# Altium PCB MB1363.PcbDoc (part 2 of 7) (continued)
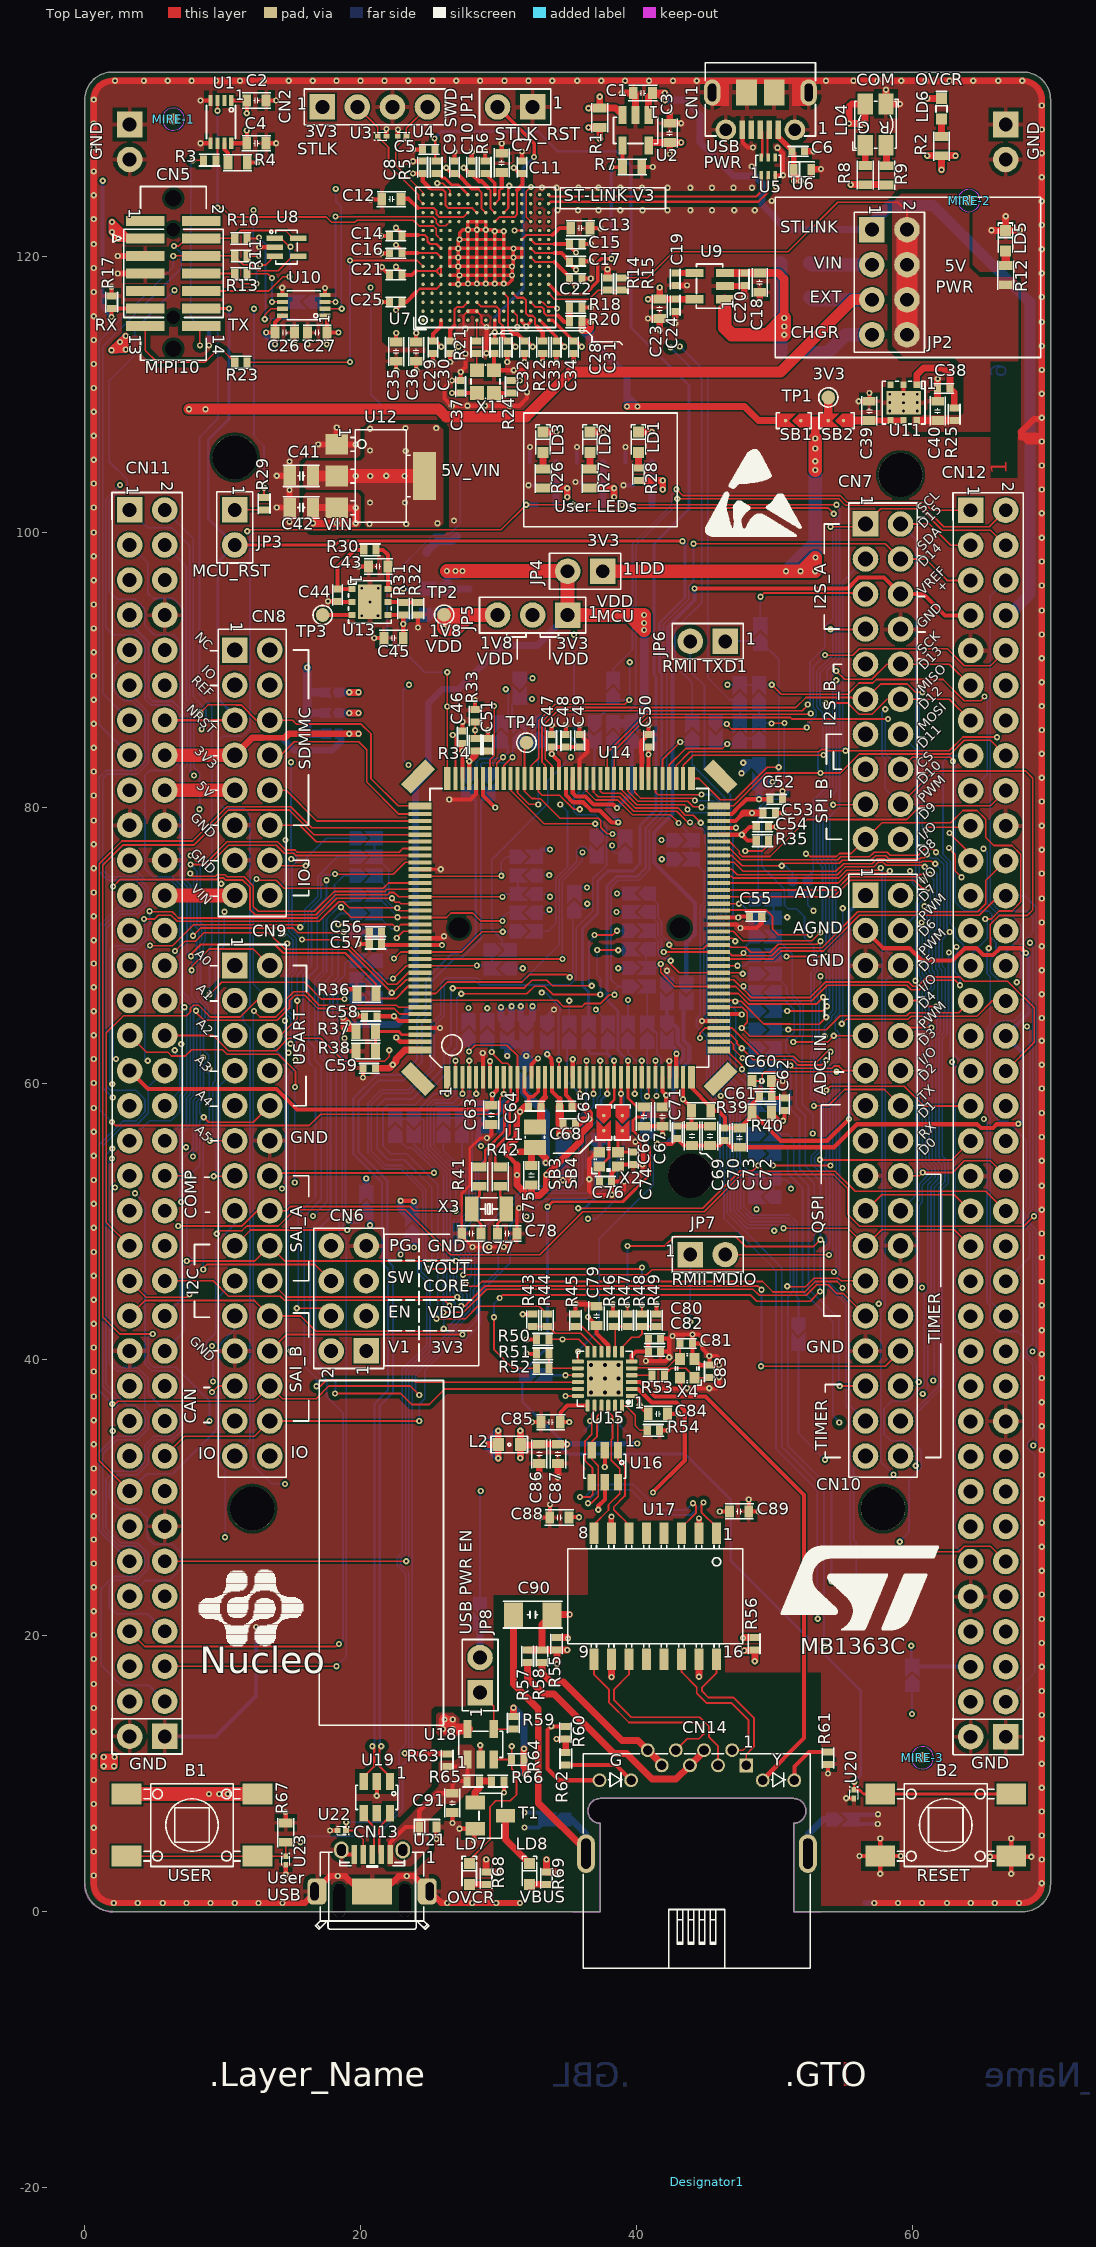
[diagram p0: Top Layer view]
## Part data (continued)
R31: library part MCD-00443, "Resistor,27K,0402,1%,1/16W", Manufacturer=YAGEO, Manufacturer_Part_Number=RC0402FR-0727KL, Package=R0402, ComponentLink1Description=Datasheet, ComponentLink1URL=http://tunmcdsvn.tun.st.com/Component_Datasheet_Library/Trunk/Resistors/Yageo_Resistor_RC0402-series, Initial_Board_Reference=MBxxxx, Internal_Part_Number=MCD-00443, Part_Type=Resistor, Provided_By=SUBCO, Status=Released
R32: library part MCD-00493, "Resistor,56K,0402,1%,1/16W", Manufacturer=YAGEO, Manufacturer_Part_Number=RC0402FR-0756KL, Package=R0402, ComponentLink1Description=Datasheet, ComponentLink1URL=http://tunmcdsvn.tun.st.com/Component_Datasheet_Library/Trunk/Resistors/Yageo_Resistor_RC0402-series, Initial_Board_Reference=MBxxxx, Internal_Part_Number=MCD-00493, Part_Type=Resistor, Provided_By=SUBCO, Status=Released
R33 R34 R35 R53: library part MCD-00052, "Resistor,0R,0402,5%,1/16W", Manufacturer=YAGEO, Manufacturer_Part_Number=RC0402JR-070RL, Package=R0402, ComponentLink1Description=Datasheet, ComponentLink1URL=http://tunmcdsvn.tun.st.com/Component_Datasheet_Library/Trunk/Resistors/Yageo_Resistor_RC0402-series, Initial_Board_Reference=MB1274, Internal_Part_Number=MCD-00052, Part_Type=Resistor, Provided_By=SUBCO, Status=Released
R39 R40 R41 R42: library part MCD-00056, "Resistor,0R,0603,5%,1/10W", Manufacturer=YAGEO, Manufacturer_Part_Number=RC0603JR-070RL, Package=R0603, ComponentLink1Description=Datasheet, ComponentLink1URL=http://tunmcdsvn.tun.st.com/Component_Datasheet_Library/Trunk/Resistors/Yageo_Resistor_RC0603-series, Initial_Board_Reference=MB1274, Internal_Part_Number=MCD-00056, Part_Type=Resistor, Provided_By=SUBCO, Status=Released
R44 R47 R48 R52: library part MCD-00455, "Resistor,33R,0402,1%,1/16W", Manufacturer=YAGEO, Manufacturer_Part_Number=RC0402FR-0733RL, Package=R0402, ComponentLink1Description=Datasheet, ComponentLink1URL=http://tunmcdsvn.tun.st.com/Component_Datasheet_Library/Trunk/Resistors/Yageo_Resistor_RC0402-series, Initial_Board_Reference=MBxxxx, Internal_Part_Number=MCD-00455, Part_Type=Resistor, Provided_By=SUBCO, Status=Released
R50: library part MCD-00068, "Resistor,1K5,0402,1%,1/16W", Manufacturer=YAGEO, Manufacturer_Part_Number=RC0402FR-071K5L, Package=R0402, ComponentLink1Description=Datasheet, ComponentLink1URL=http://tunmcdsvn.tun.st.com/Component_Datasheet_Library/Trunk/Resistors/Yageo_Resistor_RC0402-series, Initial_Board_Reference=MB1274, Internal_Part_Number=MCD-00068, Part_Type=Resistor, Provided_By=SUBCO, Status=Released
R54: library part MCD-00723, "Resistor,12K1,0402,1%,1/16W", Manufacturer=YAGEO, Manufacturer_Part_Number=RC0402FR-0712K1L, Package=R0402, ComponentLink1Description=Datasheet, ComponentLink1URL=http://tunmcdsvn.tun.st.com/Component_Datasheet_Library/Trunk/Resistors/Yageo_Resistor_RC0402-series, Initial_Board_Reference=MB1271, Internal_Part_Number=MCD-00723, Part_Type=Resistor, Provided_By=SUBCO, Status=Released
R55 R56 R57 R58: library part MCD-00515, "Resistor,75R,0402,1%,1/16W", Manufacturer=YAGEO, Manufacturer_Part_Number=RC0402FR-0775RL, Package=R0402, ComponentLink1Description=Datasheet, ComponentLink1URL=http://tunmcdsvn.tun.st.com/Component_Datasheet_Library/Trunk/Resistors/Yageo_Resistor_RC0402-series, Initial_Board_Reference=MBxxxx, Internal_Part_Number=MCD-00515, Part_Type=Resistor, Provided_By=SUBCO, Status=Released
R59 R64 R65: library part MCD-00063, "Resistor,47K,0402,1%,1/16W", Manufacturer=YAGEO, Manufacturer_Part_Number=RC0402FR-0747KL, Package=R0402, ComponentLink1Description=Datasheet, ComponentLink1URL=http://tunmcdsvn.tun.st.com/Component_Datasheet_Library/Trunk/Resistors/Yageo_Resistor_RC0402-series, Initial_Board_Reference=MB1274, Internal_Part_Number=MCD-00063, Part_Type=Resistor, Provided_By=SUBCO, Status=Released
R68: library part MCD-00461, "Resistor,360R,0402,1%,1/16W", Manufacturer=YAGEO, Manufacturer_Part_Number=RC0402FR-07360RL, Package=R0402, ComponentLink1Description=Datasheet, ComponentLink1URL=http://tunmcdsvn.tun.st.com/Component_Datasheet_Library/Trunk/Resistors/Yageo_Resistor_RC0402-series, Initial_Board_Reference=MBxxxx, Internal_Part_Number=MCD-00461, Part_Type=Resistor, Provided_By=SUBCO, Status=Released
R74 R75 R76: library part MCD-00222, "Resistor,47K,0603,1%,1/10W", Manufacturer=YAGEO, Manufacturer_Part_Number=RC0603FR-0747KL, Package=R0603, ComponentLink1Description=Datasheet, ComponentLink1URL=http://tunmcdsvn.tun.st.com/Component_Datasheet_Library/Trunk/Resistors/Yageo_Resistor_RC0603-series, Initial_Board_Reference=MB1319, Internal_Part_Number=MCD-00222, Part_Type=Resistor, Provided_By=SUBCO, Status=Released
R78 R79 R80 R81: library part MCD-00565, "Resistor,49R9,0402,1%,1/16W", Manufacturer=YAGEO, Manufacturer_Part_Number=RC0402FR-0749R9L, Package=R0402, ComponentLink1Description=Datasheet, ComponentLink1URL=http://tunmcdsvn.tun.st.com/Component_Datasheet_Library/Trunk/Resistors/Yageo_Resistor_RC0402-series, Initial_Board_Reference=MB1331, Internal_Part_Number=MCD-00565, Part_Type=Resistor, Provided_By=SUBCO, Status=Released
SB1 SB2 SB3 SB4 SB5 SB6 SB7 SB8 SB9 SB10 SB11 SB12 SB15 SB16 SB17 SB18 SB19 SB20 SB21 SB22 SB23 SB25 SB26 SB27 SB28 SB29 SB30 SB31 SB32 SB33 SB34 SB35 SB36 SB39 SB40 SB41 SB42 SB43 SB44 SB45 SB46 SB47 SB48 SB49 SB50 SB51 SB52 SB53 SB54 SB55 SB56 SB57 SB58 SB59 SB60 SB61 SB62 SB63 SB64 SB65 SB66 SB67 SB68 SB69 SB70 SB71 SB72 SB73 SB74 SB75 SB76 SB77 SB78 SB79 SB80 SB81 SB82 SB83 SB84 SB85 SB86 SB87 SB88 SB89 SB90 SB91 SB92 SB93 SB94 SB95 SB96 SB97 SB98 SB99 SB100 SB101 SB102 SB103 SB104: library part MCD-00071, "Solder Bridge ON", Manufacturer=YAGEO, Manufacturer_Part_Number=RC0603JR-070RL, Package=SB0603, ComponentLink1Description=Datasheet, ComponentLink1URL=http://tunmcdsvn.tun.st.com/Component_Datasheet_Library/Trunk/Resistors/Yageo_Resistor_RC0603-series, Initial_Board_Reference=MB1274, Internal_Part_Number=MCD-00071, Part_Type=Mechanical, Provided_By=SUBCO, Status=Released
SB13 SB14 SB24 SB37 SB38: library part MCD-01618, "Solder Bridge 0402 ON", Manufacturer=YAGEO, Manufacturer_Part_Number=RC0402JR-070RL, Package=SB0402, ComponentLink1Description=Datasheet, ComponentLink1URL=http://tunmcdsvn.tun.st.com/Component_Datasheet_Library/Trunk/Resistors/Yageo_Resistor_RC0402-series, Internal_Part_Number=MCD-01618, Part_Type=Mechanical, Provided_By=SUBCO, Status="Footprint available"
TP1 TP2 TP3 TP4: library part MCD-00074, "Test Point 1mm", Manufacturer=n/a, ComponentLink1Description=Datasheet, ComponentLink1URL=http://na, Initial_Board_Reference=MB1274, Internal_Part_Number=MCD-00074, Manufacturer_Part_Number=n/a, Part_Type=Mechanical, Provided_By=n/a, Status=Released
U1 U10: library part MCD-00264, "Dual bit dual supply bus transceiver", Manufacturer="TEXAS INSTRUMENTS", ComponentLink1Description=Datasheet, ComponentLink1URL=http://tunmcdsvn.tun.st.com/Component_Datasheet_Library/Trunk/IC/TI_Dual_bit_tranceiver_SN74LVC2T45, Initial_Board_Reference=MB1319, Internal_Part_Number=MCD-00264, Manufacturer_Part_Number=SN74LVC2T45DCUT, Part_Type=IC, Provided_By=SUBCO, Status=Released
U2: library part MCD-00159, "500mA, Enhanced single channel power switches with active high enable pin", Alternate_Manufacturer="TEXAS INSTRUMENTS", Alternate_Manufacturer_Part_Number=TPS2051C, Manufacturer=STMICROELECTRONICS, BMS_Part_Number=9159009, ComponentLink1Description=Datasheet, ComponentLink1URL=http://tunmcdsvn.tun.st.com/Component_Datasheet_Library/Trunk/IC/STM_PWR-Switch_STMPS2151STR, Initial_Board_Reference=MB1264, Internal_Part_Number=MCD-00159, Manufacturer_Part_Number=STMPS2151STR, Part_Type=IC, Provided_By="SUBCO with ST control", Status=Released
U3 U4 U20 U22 U23: library part MCD-00170, "ESD protection 6V1", Manufacturer=STMICROELECTRONICS, Manufacturer_Part_Number=ESDALC6V1-1U2, BMS_Part_Number=9151132, ComponentLink1Description=Datasheet, ComponentLink1URL=http://tunmcdsvn.tun.st.com/Component_Datasheet_Library/Trunk/Diodes/STM_ESD_ESDALC6V1-1U2, Initial_Board_Reference=MB1274, Internal_Part_Number=MCD-00170, Part_Type=Diode, Provided_By="SUBCO with ST control", Status=Released
U5: library part MCD-00649, "Common mode filter with ESD protection for USB 2.0 interface", Manufacturer=STMICROELECTRONICS, ComponentLink1Description=Datasheet, ComponentLink1URL=http://tunmcdsvn.tun.st.com/Component_Datasheet_Library/Trunk/Diodes/STM_ESD_ECMF02-2AMX6, Initial_Board_Reference=MB1248, Internal_Part_Number=MCD-00649, Manufacturer_Part_Number=ECMF02-2AMX6, Part_Type=Diode, Provided_By="SUBCO with ST control", Status=Released
U6 U21: library part MCD-00251, "High power transient voltage suppressor, 7V breakdown", Manufacturer=STMICROELECTRONICS, Manufacturer_Part_Number=ESDA7P60-1U1M, BMS_Part_Number=9179042, ComponentLink1Description=Datasheet, ComponentLink1URL=http://tunmcdsvn.tun.st.com/Component_Datasheet_Library/Trunk/Diodes/STM_ESD_ESDA7P60-1U1M, Initial_Board_Reference=MB1311, Internal_Part_Number=MCD-00251, Part_Type=Diode, Provided_By="SUBCO with ST control", Status=Released
U7: library part MCD-00596, "STM32F723IEK  (STM32F7) BGA176", Manufacturer=STMICROELECTRONICS, Manufacturer_Part_Number=STM32F723IEK6, BMS_Part_Number=9175300, ComponentLink1Description=Datasheet, ComponentLink1URL=http://tunmcdsvn.tun.st.com/Component_Datasheet_Library/Trunk/IC/BGA176+25L_10x10x0.6_pitch0.65, Initial_Board_Reference=MB1331, Internal_Part_Number=MCD-00596, Part_Type=IC, Provided_By="SUBCO with ST control", Status=Released
U8 U24: library part MCD-00136, "Dual Transil array for ESD protection", Manufacturer=STMICROELECTRONICS, BMS_Part_Number=9151112, ComponentLink1Description=Datasheet, ComponentLink1URL=http://tunmcdsvn.tun.st.com/Component_Datasheet_Library/Trunk/Diodes/STM_ESD_ESDALC6V1W5, Initial_Board_Reference=MB1262, Internal_Part_Number=MCD-00136, Manufacturer_Part_Number=ESDALC6V1W5, Part_Type=Diode, Provided_By="SUBCO with ST control", Status=Released
U9: library part MCD-00086, "Ultra low drop-low noise BiCMOS voltage, regulators low ESR capacitors compatible", Manufacturer=STMICROELECTRONICS, BMS_Part_Number=9176161, ComponentLink1Description=Datasheet, ComponentLink1URL=http://tunmcdsvn.tun.st.com/Component_Datasheet_Library/Trunk/IC/STM_LDO_LD3985, Initial_Board_Reference=MB1274, Internal_Part_Number=MCD-00086, Manufacturer_Part_Number=LD3985M33R, Part_Type=IC, Provided_By="SUBCO with ST control", Status=Released
U11: library part MCD-01025, "LDO, 3.3V, 1.3A, Very low quiescent current BiCMOS voltage regulator", Manufacturer=STMICROELECTRONICS, Package=DFN6-3x3, BMS_Part_Number=9176246, ComponentLink1Description=Datasheet, ComponentLink1URL=http://tunmcdsvn.tun.st.com/Component_Datasheet_Library/Trunk/IC/STM_LDO_ST1L05CPU33R, Initial_Board_Reference=MB1331, Internal_Part_Number=MCD-01025, Manufacturer_Part_Number=ST1L05CPU33R, Part_Type=IC, Provided_By="SUBCO with ST control", Status=Released
U12: library part MCD-00088, "IC REG LDO 5V 0.8A SOT223", Manufacturer=STMICROELECTRONICS, Package=SOT-223, BMS_Part_Number=9176133, ComponentLink1Description=Datasheet, ComponentLink1URL=http://tunmcdsvn.tun.st.com/Component_Datasheet_Library/Trunk/IC/STM_LDO_LD1117, Initial_Board_Reference=MB1274, Internal_Part_Number=MCD-00088, Manufacturer_Part_Number=LD1117S50TR, Part_Type=IC, Provided_By="SUBCO with ST control", Status=Released
U13: library part MCD-00581, "LDO Linear Voltage Regulator IC Positive Adjustable 1 Output Adjustable 1.3A 6-DFN (3x3)", Manufacturer=STMICROELECTRONICS, Package="DFN6 (3x3)", BMS_Part_Number=9176239, ComponentLink1Description=Datasheet, ComponentLink1URL=http://tunmcdsvn.tun.st.com/Component_Datasheet_Library/Trunk/IC/STM_LDO_ST1L05BPUR, Initial_Board_Reference=MB1331, Internal_Part_Number=MCD-00581, Manufacturer_Part_Number=ST1L05BPUR, Part_Type=IC, Provided_By="SUBCO with ST control", Status=Released
U14: library part MCD-01360, "STM32H7A3ZIT6Q, LQFP144 package, 20x20", Manufacturer=STMICROELECTRONICS, Manufacturer_Part_Number=STM32H7A3ZIT6Q, Package="LQFP144 20x20", ComponentLink1Description=Datasheet, ComponentLink1URL=http://tunmcdsvn.tun.st.com/Component_Datasheet_Library/Trunk/IC/STM_STM32L552ZET6QU, Initial_Board_Reference=MB1363, Internal_Part_Number=MCD-01360, Part_Type=IC, Provided_By="SUBCO with ST control", Status=Checked
U15: library part MCD-00719, "10/100M RMII Ethernet transceiver", Manufacturer=MICROCHIP, ComponentLink1Description=Datasheet, ComponentLink1URL=http://tunmcdsvn.tun.st.com/Component_Datasheet_Library/Trunk/IC/MICROCHIP_LAN8742A_RMII_PHY, Initial_Board_Reference=MB1271, Internal_Part_Number=MCD-00719, Manufacturer_Part_Number=LAN8742A-CZ-TR, Part_Type=IC, Provided_By=SUBCO, Status=Released
U16: library part MCD-00250, "Very low capacitance ESD protection , 4 lines", Manufacturer=STMICROELECTRONICS, BMS_Part_Number=9151001, ComponentLink1Description=Datasheet, ComponentLink1URL=http://tunmcdsvn.tun.st.com/Component_Datasheet_Library/Trunk/Diodes/STM_ESD_USBLC6-4SC6, Initial_Board_Reference=MB1311, Internal_Part_Number=MCD-00250, Manufacturer_Part_Number=USBLC6-4SC6, Part_Type=IC, Provided_By="SUBCO with ST control", Status=Released
U17: library part MCD-00718, "Discrete Magnetic Transformer Module, 16 pins, SMT, 100 Base-TX", Manufacturer="DONGGUAN KEYOUDA ELECTRONIC TECHNOLOGY", ComponentLink1Description=Datasheet, ComponentLink1URL=http://tunmcdsvn.tun.st.com/Component_Datasheet_Library/Trunk/IC/DGKYD_KMS-1102NL, Initial_Board_Reference=MB1271, Internal_Part_Number=MCD-00718, Manufacturer_Part_Number=KMS-1102NL, Part_Type=IC, Provided_By=SUBCO, Status=Released
U18: library part MCD-00083, "Enhanced single channel power switches with active low enable pin", Alternate_Manufacturer="TEXAS INSTRUMENTS", Alternate_Manufacturer_Part_Number=TPS2041C, Manufacturer=STMICROELECTRONICS, BMS_Part_Number=9159003, ComponentLink1Description=Datasheet, ComponentLink1URL=http://tunmcdsvn.tun.st.com/Component_Datasheet_Library/Trunk/IC/STM_PWR-Switch_STMPS2141STR, Initial_Board_Reference=MB1274, Internal_Part_Number=MCD-00083, Manufacturer_Part_Number=STMPS2141STR, Part_Type=IC, Provided_By="SUBCO with ST control", Status=Released
U19: library part MCD-00163, "Very low capacitance ESD protection", Manufacturer=STMICROELECTRONICS, BMS_Part_Number=9151075, ComponentLink1Description=Datasheet, ComponentLink1URL=http://tunmcdsvn.tun.st.com/Component_Datasheet_Library/Trunk/Diodes/STM_ESD_USBLC6-2, Initial_Board_Reference=MB1263, Internal_Part_Number=MCD-00163, Manufacturer_Part_Number=USBLC6-2SC6, Part_Type=IC, Provided_By="SUBCO with ST control", Status=Released
X1: library part MCD-00597, "Oscillator 25.00Mhz, -+50PPM, 3.3V, Temp -55 to +125°C", Alternate_Manufacturer="AVX CORP/KYOCERA CORP", Alternate_Manufacturer_Part_Number=KC2520B25.0000C10E00, Manufacturer=NDK, Manufacturer_Part_Number="NZ2520SB 25MHz END4869B", BMS_Part_Number=9157031, ComponentLink1Description=Datasheet, ComponentLink1URL=http://tunmcdsvn.tun.st.com/Component_Datasheet_Library/Trunk/Crystal_Osc/NDK_OSCILLATOR_NZ2520SB, Initial_Board_Reference=MB1331, Internal_Part_Number=MCD-00597, Order_Code_Digikey=478-4780-1-ND, Part_Type=Crystal_Osc, Provided_By=ST, Status=Released
X2 X4: library part MCD-01364, "25MHz Crystal. 2x1.6mm package size. 20ppm. Load capacitance: 6pF. Spec EXS00A-CS11321", Manufacturer=NDK, Manufacturer_Part_Number="NX2016SA 25MHz EXS00A-CS11321", Package=NX2016SA, BMS_Part_Number=9157044, ComponentLink1Description=Datasheet, ComponentLink1URL="http://tunmcdsvn.tun.st.com/Component_Datasheet_Library/Trunk/Crystal_Osc/NDK_NX2016SA 25MHz EXS00A-CS11321 (EXS10B-28187)", Initial_Board_Reference=MB1363, Internal_Part_Number=MCD-01364, Part_Type=Crystal_Osc, Provided_By=ST, Status=Released
X3: library part MCD-00091, "Crystal 32.768kHz, 6pF, -+20PPM, R=50K, SMD", Manufacturer=NDK, Manufacturer_Part_Number="NX3215SA 32.768KHz EXS00A-MU00525", BMS_Part_Number=9157034, ComponentLink1Description=Datasheet, ComponentLink1URL="http://tunmcdsvn.tun.st.com/Component_Datasheet_Library/Trunk/Crystal_Osc/NDK_Crystal-For-ST_NX3215SA 32.768KHz EXS00A-MU00525 (EXS10B-21238)", Initial_Board_Reference=MB1274, Internal_Part_Number=MCD-00091, Part_Type=Crystal_Osc, Provided_By=ST, Status=Released

## Free pads (board coordinates)
  round 3.2 hole 3.2 unplated: 0(10.866,105.409) 0(12.136,29.209) 0(43.886,53.339) 0(57.856,29.209) 0(59.126,104.139)

## Via types
v1: diameter 0.45, hole 0.2, Top Layer to Bottom Layer, tented both sides, 1098 vias
v2: diameter 0.6, hole 0.3, Top Layer to Bottom Layer, tented both sides, 9 vias

## Nets (pads, with @x,y where several pads share a name; then routed paths per layer and width w, separated by ;. In a path a pad name is that pad's centre, name@x,y a point inside that pad or via, vN(x,y) a via of type N, cw(c..) or ccw(c..) an arc to the next point about the centre after c; other vN are vias at no path point)
1V2_MCU: SB75.2 SB76.2 SB79.1 SB95.2 | length 6.8
  Bottom Layer w0.4: v1(31.991,62.029) 31.991,62.729 32.215,62.953 SB75.2@32.015,63.153
  Bottom Layer w0.5: SB95.2@20.391,52.034 v1(20.391,53.134) ; v1(30.616,62.029) 30.616,62.879 ; SB76.2@30.616,63.153 30.616,62.879 ; 30.89,62.879 30.616,62.879 ; 31.741,62.879 SB75.2@32.015,63.153
  Bottom Layer w0.6: 30.516,62.979 30.616,62.879 ; 30.89,62.879 31.741,62.879 ; SB79.1@31.966,61.329 31.966,62.953
1V2_VOUTCORE: CN6.5 SB95.1 | length 2.9
  Bottom Layer w0.5: v1(19.121,50.105) 19.762,50.105 20.391,50.734 ; SB95.1@20.391,50.934 20.391,50.734 ; v1(20.666,49.754) 20.691,49.729 20.691,50.434 20.391,50.734
1V8_VDD: JP5.3 SB7.2 TP2.1 | length 15.5
  Top Layer w0.5: TP2.1@26.041,94.004 TP2.1@26.066,93.979
  Top Layer w1: TP2.1@26.041,94.004 v1(26.041,93.029) 26.091,92.979 v1(26.916,92.979) 27.916,93.979 ; TP2.1@26.066,93.979 27.916,93.979 ; JP5.3@29.916,93.979 27.916,93.979
  Signal Layer 2 w0.8: v1(26.041,93.029) 26.091,92.979 v1(26.916,92.979) 27.916,93.979 JP5.3@29.916,93.979
  Signal Layer 3 w0.5: v1(26.041,93.029) 26.866,93.029 v1(26.916,92.979)
  Bottom Layer w0.5: SB7.2@26.041,94.004 26.041,93.854 ; 26.041,93.854 v1@26.891,93.004 ; 26.041,93.854 v1(26.041,93.029) 26.066,93.004 v1@26.891,93.004 ; v1@26.891,93.004 v1(26.916,92.979) 26.916,93.004 v1@26.891,93.004
3V3: CN5.3 CN8.7 CN11.16 JP4.1 SB1.1 SB2.2 SB24.1 TP1.1 | length 182.3
  Top Layer w0.4: 12.845,85.089 14.501,85.089
  Top Layer w0.5: CN5.3@4.389,121.284 CN5.3@3.161,121.284 ; CN8.7@10.866,83.819 12.136,85.089 12.845,85.089 ; 14.501,85.089 14.791,85.379 v1(19.166,85.379) v1(19.841,85.379) ; v1(2.436,121.284) CN5.3@3.161,121.284 ; v1(2.436,121.284) v1(1.966,121.754) v1(1.966,122.479) 2.436,122.009 ; v1(2.436,121.284) 2.436,122.009 ; 2.436,122.009 CN5.3@3.161,121.284
  Top Layer w0.6: SB1.1@51.891,108.079 52.941,108.079 ; v1(52.941,106.779) 52.941,108.079 ; TP1.1@53.891,109.754 SB2.2@53.891,108.079 52.941,108.079
  Top Layer w1: CN11.16@5.786,83.819 CN8.7@10.866,83.819 ; JP4.1@37.536,97.154 v1(50.816,97.154) v1(51.866,97.154) v1@51.966,97.154 ; v1(52.941,104.504) v1(52.941,105.129) v1(52.941,106.054) v1(52.941,106.779) ; v1@51.966,97.154 v1(52.941,97.154) 52.941,98.129 v1@51.966,97.154
  Signal Layer 2 w0.5: v1(1.966,122.479) v1(1.966,121.754) v1(2.436,121.284) ; v1(19.166,85.379) v1(19.841,85.379)
  Signal Layer 2 w0.6: v1(50.816,97.154) v1(51.866,97.154) v1@51.966,97.154 ; v1(52.941,104.504) v1(52.941,105.129) v1(52.941,106.054) v1(52.941,106.779) ; v1@51.966,97.154 v1(52.941,97.154) 52.966,97.179 v1(52.966,98.154) v1@51.966,97.154
  Signal Layer 2 w1: CN11.16@5.786,83.819 CN8.7@10.866,83.819
  Signal Layer 3 w0.4: 1.316,85.079 4.526,85.079 CN11.16@5.786,83.819 4.541,82.574 2.121,82.574
  Signal Layer 3 w0.5: 1.316,85.079 1.236,85.159 ; 2.121,82.574 1.236,83.459 1.236,85.159 ; v1(19.166,85.379) v1(19.841,85.379) ; 1.236,85.159 1.236,115.949 3.366,118.079 3.366,120.354 v1(2.436,121.284) ; v1(2.436,121.284) v1(1.966,121.754) v1(1.966,122.479) 2.436,122.009 v1(2.436,121.284)
  Signal Layer 3 w0.6: v1@50.941,97.154 v1(51.866,97.154) v1@51.966,97.154 ; v1(52.941,104.504) v1(52.941,105.129) v1(52.941,106.054) v1(52.941,106.779) ; v1@51.966,97.154 v1(52.941,97.154) 52.966,97.179 v1(52.966,98.154) v1@51.966,97.154
  Signal Layer 3 w0.8: 18.566,85.379 v1(19.166,85.379) v1(19.841,85.379) 20.591,85.379 21.166,85.954 21.166,89.629 18.841,91.954 18.841,95.757 19.762,96.679 25.041,96.679 25.516,96.204 30.866,96.204 33.366,98.704 35.986,98.704 JP4.1@37.536,97.154
  Bottom Layer w0.4: 12.845,85.089 14.281,85.089 14.466,84.904
  Bottom Layer w0.5: v1(1.966,122.479) v1(1.966,121.754) v1(2.436,121.284) ; CN8.7@10.866,83.819 12.136,85.089 12.845,85.089 ; 14.466,84.904 15.191,84.179 17.929,84.179 18.566,84.816 18.566,85.379 ; SB24.1@18.379,85.379 18.566,85.379 ; v1(19.841,85.379) v1(19.166,85.379) 18.566,85.379
  Bottom Layer w1: v1(50.816,97.154) v1@50.841,97.154 ; v1(52.941,106.779) v1(52.941,106.054) v1(52.941,105.129) v1(52.941,104.504) 52.941,99.254 ; v1@50.841,97.154 v1(51.866,97.154) ; v1@50.841,97.154 52.941,99.254 ; v1(51.866,97.154) v1(52.941,97.154) v1@52.941,98.229 ; v1(51.866,97.154) v1@52.941,98.229 ; v1@52.941,98.229 52.941,99.254
3V3_PER: L2.2 R20.2 R26.2 R27.2 R28.2 R68.2 R69.2 SB1.2 SB13.1 | length 180.7
  Top Layer w0.5: v1(19.166,88.379) v1(19.841,88.379) ; v1(28.966,33.854) L2.2@29.966,33.854 ; v1(29.091,3.779) R68.2@29.091,2.879 v1(29.991,2.879) ; v1(29.966,32.854) L2.2@29.966,33.854 ; v1(29.966,34.854) L2.2@29.966,33.854 ; R26.2@33.216,103.179 v1(34.966,103.179) v1(34.966,102.529) ; v1(33.466,3.779) R69.2@33.466,2.879 v1(34.316,2.879) ; R27.2@36.616,103.179 v1(38.366,103.179) v1(38.366,102.529) ; v1(39.291,109.104) v1(40.066,109.104) 47.816,109.104 48.841,108.079 SB1.2@50.791,108.079 ; R28.2@40.141,103.729 v1(41.891,103.729) v1(41.891,103.079) ; v1(36.041,114.604) 36.491,114.604 36.666,114.779 v1(36.666,115.229) R20.2@36.041,115.229 v1(36.041,114.604)
  Signal Layer 2 w0.5: v1(19.166,88.379) v1(19.841,88.379) ; v1(29.966,32.854) v1(28.966,33.854) 28.84,33.98 28.84,34.336 29.358,34.854 v1(29.966,34.854)
  Signal Layer 3 w0.4: 55.091,65.404 55.701,64.794 57.052,64.794 57.881,63.965 57.881,62.983 58.61,62.254 60.016,62.254 60.041,62.229
  Signal Layer 3 w0.5: v1(34.966,103.179) v1(34.966,102.529) 35.011,102.574 38.321,102.574 v1(38.366,102.529) ; v1(38.366,103.179) v1(38.366,102.529) ; v1(38.366,102.529) 38.399,102.562 41.374,102.562 v1(41.891,103.079) v1(41.891,103.729) 41.891,105.304 40.066,107.129 40.066,108.329 ; 40.066,108.329 v1(40.066,109.104) v1(39.291,109.104) 40.066,108.329
  Signal Layer 3 w0.8: 18.566,88.379 v1(19.166,88.379) v1(19.841,88.379) 19.841,89.329 17.691,91.479 17.691,93.354 16.691,94.354 16.691,95.854 19.266,98.429 31.091,98.429 34.391,101.729 ; 41.891,105.304 44.016,105.304 45.216,104.104 45.216,100.854 52.716,93.354 52.716,89.779 54.841,87.654 54.841,86.254 54.396,85.809 54.396,83.839 54.986,83.249 54.986,79.122 54.196,78.332 54.196,72.42 54.841,71.775 54.841,65.654 55.091,65.404
  Signal Layer 3 w1: 60.041,62.229 60.951,61.319 60.951,54.719 62.541,53.129 62.541,43.566 61.2,42.225
  Signal Layer 3 w1.2: 34.391,101.729 34.391,104.004 34.991,104.604 38.866,104.604 38.891,104.579
  Bottom Layer w0.5: 18.566,88.379 v1(19.166,88.379) v1(19.841,88.379) ; v1(29.966,32.854) v1(28.966,33.854) v1(29.966,34.854) ; v1(34.966,102.529) v1(34.966,103.179) ; v1(38.366,102.529) v1(38.366,103.179) ; v1(41.891,103.079) v1(41.891,103.729) ; v1(36.041,114.604) 36.641,114.604 36.666,114.579 ; v1(36.041,114.604) 36.666,113.979 ; v1(36.041,114.604) v1(36.666,115.229) 36.666,114.579 ; 36.666,113.979 36.666,114.579 ; 36.666,113.979 39.291,111.354 39.291,109.879 ; 39.291,109.879 v1(39.291,109.104) v1(40.066,109.104) 39.291,109.879
3V3_STLK: C2.2 C8.2 C9.2 C10.2 C11.2 C14.2 C15.2 C16.2 C17.2 C21.2 C22.2 C23.2 C24.2 C25.2 C27.2 C29.2 C30.2 C31.2 C32.2 C33.2 C34.2 C35.2 C36.2 C37.2 CN2.1 LD4.4 R24.1 U1.1 U7.C1 U7.C5 U7.C6 U7.C7 U7.C8 U7.C9 U7.F3 U7.G3 U7.G13 U7.H13 U7.J12 U7.J13 U7.K4 U7.N8 U7.N9 U7.N10 U7.P1 U7.R1 U9.5 U10.1 X1.4 | length 142.1
  Top Layer w0.15: 23.996,118.924 25.486,118.924 U7.C7@25.816,119.254 25.816,118.634 U7.C6@25.825,118.625 ; 24.016,117.379 24.271,117.634 25.496,117.634 U7.C5@25.816,117.954 ; 24.116,120.229 25.491,120.229 U7.C8@25.816,119.904 ; 24.141,121.529 24.644,121.529 24.836,121.336 24.836,121.059 25.016,120.879 25.491,120.879 U7.C9@25.816,120.554 ; 24.966,124.954 25.091,124.829 25.941,124.829 26.146,124.624 26.146,123.671 26.339,123.479 28.091,123.479 U7.G13@28.416,123.154 ; 25.471,118.916 U7.C6@25.801,118.586 ; 26.791,114.979 26.791,116.131 26.984,116.324 27.436,116.324 U7.F3@27.766,116.654 ; U7.G3@28.416,116.654 28.736,116.334 29.839,116.334 30.036,116.136 30.036,115.209 30.291,114.954 30.291,114.779 ; 28.466,124.904 28.746,124.624 28.746,123.474 U7.H13@29.066,123.154 ; 29.216,124.954 29.396,124.774 29.396,123.474 U7.J13@29.716,123.154 ; U7.J12@29.716,122.504 30.041,122.829 31.144,122.829 31.336,123.021 31.336,124.799 31.341,124.804 ; U7.K4@30.366,117.304 30.686,116.984 30.686,114.759 30.891,114.554 ; U7.N8@32.316,119.904 32.641,119.579 34.041,119.579 ; U7.N9@32.316,120.554 32.641,120.229 34.041,120.229 ; U7.N10@32.316,121.204 32.641,120.879 34.041,120.879
  Top Layer w0.25: U7.P1@32.966,115.354 34.166,114.154 C33.2@34.166,113.854 ; U7.R1@33.616,115.354 33.916,115.354 C34.2@35.416,113.854
  Top Layer w0.3: U1.1@10.616,131.279 C2.2@11.741,131.279 v1(11.741,130.354) ; U10.1@17.416,115.679 17.541,115.554 C27.2@17.541,114.454 ; v1(17.541,113.604) C27.2@17.541,114.454 ; v1(18.391,114.454) C27.2@17.541,114.454 ; v1(22.562,116.083) 22.991,116.512 C25.2@22.991,116.679 23.316,116.679 24.016,117.379 ; v1(22.562,119.225) 22.991,118.796 C21.2@22.991,118.629 23.701,118.629 23.996,118.924 ; v1(22.562,120.8) 22.991,120.371 C16.2@22.991,120.204 23.016,120.229 24.116,120.229 ; v1(22.562,122.05) 22.991,121.621 C14.2@22.991,121.454 23.066,121.529 24.141,121.529 ; C35.2@22.566,113.779 v1(22.566,114.429) ; v1(23.791,125.979) C8.2@24.491,125.979 24.491,125.429 24.966,124.954 ; C36.2@24.016,113.779 v1(24.016,114.429) ; U7.C1@25.816,115.354 25.816,114.929 25.241,114.354 C29.2@25.241,113.854 25.408,113.854 v1(25.837,113.425) ; v1(26.195,126.408) 26.624,125.979 C9.2@26.791,125.979 26.966,125.979 28.041,124.904 28.466,124.904 ; v1(26.616,110.079) C37.2@27.241,110.079 X1.4@28.416,110.079 ; 26.791,114.979 26.491,114.679 C30.2@26.491,113.854 26.658,113.854 v1(27.087,113.425) ; v1(27.47,126.408) 27.899,125.979 C10.2@28.041,125.979 ; C10.2@28.066,125.979 C10.2@28.041,125.979 ; 29.216,124.954 28.741,125.429 28.579,125.429 28.041,125.967 C10.2@28.041,125.979 ; 30.291,114.779 30.291,114.179 C31.2@30.616,113.854 30.783,113.854 v1(31.212,113.425) ; 30.891,114.554 31.086,114.359 31.361,114.359 C32.2@31.866,113.854 32.033,113.854 v1(32.462,113.425) ; R24.1@30.916,110.979 v1(31.541,110.979) ; v1(31.095,126.408) 31.524,125.979 C11.2@31.691,125.979 31.716,125.954 31.716,125.179 31.341,124.804 ; 34.041,119.579 35.141,118.479 C22.2@35.141,118.379 C22.2@35.166,118.354 ; 34.041,120.229 34.541,120.229 C17.2@35.141,119.629 C17.2@35.166,119.604 ; 34.041,120.879 C15.2@35.141,120.879 C15.2@35.166,120.854 ; C33.2@34.166,113.854 34.333,113.854 v1(34.762,113.425) ; C22.2@35.141,118.354 C22.2@35.166,118.354 ; C17.2@35.141,119.604 C17.2@35.166,119.604 ; C15.2@35.141,120.854 C15.2@35.166,120.854 ; C34.2@35.416,113.854 35.583,113.854 v1(36.012,113.425) ; v1(35.595,117.758) 35.166,118.187 C22.2@35.166,118.354 ; v1(35.595,119.008) 35.166,119.437 C17.2@35.166,119.604 ; v1(35.595,120.258) 35.166,120.687 C15.2@35.166,120.854
  Top Layer w0.45: v1(40.816,116.879) C23.2@41.666,116.879 ; v1(41.666,117.729) C23.2@41.666,116.879 ; U9.5@44.191,116.879 C24.2@42.791,116.879 C23.2@41.666,116.879
  Top Layer w0.5: v1(55.391,129.604) 55.391,130.829 55.591,131.029 LD4.4@56.566,131.029 56.541,131.004 v1(56.541,129.604) v1(55.391,129.604)
  Signal Layer 2 w0.5: v1(11.741,130.354) 14.616,130.354 15.071,130.809 CN2.1@17.216,130.809 17.216,128.604 19.846,125.974 25.761,125.974 v1(26.195,126.408) v1(27.47,126.408) v1(31.095,126.408) 33.945,126.408 34.791,127.254 41.316,127.254 41.816,126.754 45.066,126.754 45.411,127.099 51.286,127.099 53.791,129.604 v1(55.391,129.604) v1(56.541,129.604)
3V3_VDD: B1.1 B1.2 CN6.1 CN11.5 JP4.2 JP5.1 R37.2 SB6.1 SB18.2 SB19.2 | length 226.1
  Top Layer w0.4: v1@19.016,63.954 19.066,64.004 v1(19.066,64.404) ; v1@19.016,63.954 v1(18.866,63.954) 18.816,63.954 18.716,64.054 v1(18.716,64.829) 19.066,64.479 v1(19.066,64.404) ; v1@19.016,63.954 19.465,63.954 R37.2@19.666,63.753 19.666,63.804 v1(19.066,64.404)
  Top Layer w1: B1.1@3.017,8.523 v1(8.991,8.523) v1(9.741,8.523) v1(10.366,8.523) B1.2@12.517,8.523 ; v1(26.241,97.179) v1(26.866,97.179) v1(27.366,97.179) 34.971,97.179 JP4.2@34.996,97.154 JP5.1@34.996,93.979 39.466,93.979 ; 39.466,93.979 40.016,93.979 ; 39.466,93.979 v1(40.541,92.904) v1(40.541,93.404) v1@40.541,93.454 ; 40.016,93.979 v1@40.541,93.454 ; 40.016,93.979 v1(40.541,93.979) v1@40.541,93.454
  Signal Layer 2 w0.4: 4.846,95.249 6.701,95.249 ; v1(18.716,64.829) 18.716,64.754 v1(19.066,64.404) 18.866,64.204 v1(18.866,63.954)
  Signal Layer 2 w0.45: 5.154,97.789 7.126,97.789
  Signal Layer 2 w0.5: v1(8.991,8.523) v1(9.741,8.523) v1(10.366,8.523)
  Signal Layer 2 w0.6: CN11.5@3.246,96.519 4.516,97.789 5.154,97.789 ; 7.126,97.789 7.136,97.779
  Signal Layer 2 w0.8: CN11.5@3.246,96.519 4.516,95.249 4.846,95.249
  Signal Layer 2 w1: 6.701,95.249 7.011,95.249 7.911,96.149 7.911,97.004 ; 7.136,97.779 7.911,97.004 ; 7.911,97.004 17.691,97.004 19.166,98.479 23.541,98.479 24.866,97.154 JP4.2@34.996,97.154 JP5.1@34.996,93.979 39.466,93.979 ; 39.466,93.979 v1(40.541,92.904) v1(40.541,93.404) v1(40.541,93.979) 39.466,93.979
  Signal Layer 3 w0.3: v1@18.716,64.754 v1(18.716,64.829)
  Signal Layer 3 w0.5: v1@18.916,63.899 18.311,63.899 ; v1@19.066,64.004 v1(19.066,64.404) 18.716,64.754 18.716,64.304 18.311,63.899 ; 20.391,35.754 16.991,35.754 15.916,36.829 15.916,42.104 14.766,43.254 14.766,51.479 16.866,53.579 16.866,62.454 18.311,63.899 ; v1(26.241,97.179) v1(26.866,97.179) v1(27.366,97.179)
  Signal Layer 3 w0.6: v1(40.541,92.904) v1(40.541,93.404) v1(40.541,93.979)
  Signal Layer 3 w1: v1(8.991,8.523) v1(9.741,8.523) v1(10.366,8.523) 20.391,18.548 20.391,35.754 CN6.1@20.391,40.639
  Bottom Layer w0.3: v1(18.716,64.829) 18.716,64.754 v1(19.066,64.404) 19.066,64.004 19.016,63.954 v1(18.866,63.954)
  Bottom Layer w0.5: v1(19.066,64.404) 19.161,64.309 22.671,64.309 23.366,65.004 23.366,65.279 23.966,65.879 23.966,81.629 24.891,82.554 24.891,87.579 25.916,88.604 27.091,88.604 30.266,91.779 32.796,91.779 JP5.1@34.996,93.979 ; 27.866,95.879 SB6.1@25.941,95.879 25.941,95.929 26.241,96.229 26.241,96.754 ; 26.241,96.754 26.341,96.854 27.041,96.854 v1(27.366,97.179) v1(26.866,97.179) v1(26.241,97.179) 26.241,96.754
  Bottom Layer w0.6: SB19.2@38.291,86.129 SB18.2@39.641,86.129 40.541,87.029 v1(40.541,92.904) v1(40.541,93.404) v1(40.541,93.979)
  Bottom Layer w1: v1(8.991,8.523) v1(9.741,8.523) v1(10.366,8.523) ; JP5.1@34.996,93.979 JP4.2@34.996,97.154
5V: C40.2 CN8.9 CN11.18 JP2.2 JP2.4 JP2.6 JP2.8 R12.2 R15.1 R25.2 U11.6 U18.5 | length 319.9
  Top Layer w0.12: R15.1@38.941,118.429 40.791,118.429 42.666,120.304 50.966,120.304 54.566,123.904 58.93,123.904 59.59,123.244 JP2.2@59.59,121.919
  Top Layer w0.45: v1(2.541,113.779) 2.956,114.194 v1(2.966,114.204)
  Top Layer w0.5: v1(1.941,113.179) v1(2.541,113.779) ; v1(2.141,11.204) 2.141,10.554 v1(2.116,10.529) v1(1.366,10.529) ; v1@2.956,114.194 2.966,114.194 2.966,113.804 ; U18.5@27.736,13.229 U18.5@27.741,13.224 ; U11.6@60.298,108.076 61.813,108.076 C40.2@61.816,108.079 R25.2@63.016,108.079 ; v1(1.366,10.529) 2.041,11.204 v1(1.366,11.204) v1(1.366,10.529) ; 2.391,113.229 2.341,113.179 1.954,113.179 2.004,113.229 2.391,113.229 ; 2.391,113.229 v1(2.966,113.229) 2.966,113.804 ; 2.391,113.229 2.966,113.804 ; v1(25.966,13.229) 26.066,13.329 v1(26.666,13.929) ; v1(25.966,13.229) 26.166,13.229 v1(26.666,13.229) v1(26.666,13.929) ; v1(25.966,13.229) 25.966,13.829 v1(26.066,13.929) v1(26.666,13.929)
  Top Layer w0.8: v1(26.066,13.929) 26.066,13.329 v1@26.166,13.229 ; v1(26.666,13.229) U18.5@27.736,13.229
  Top Layer w1: CN11.18@5.786,81.279 CN8.9@10.866,81.279
  Top Layer w1.5: JP2.8@59.59,114.299 JP2.6@59.59,116.839 JP2.4@59.59,119.379 JP2.2@59.59,121.919
  Signal Layer 2 w0.5: v1(1.941,113.179) v1@1.966,113.179 ; v1(26.666,13.229) v1(25.966,13.229) ; 40.541,118.429 40.516,118.429 ; v1@1.466,10.529 v1(2.116,10.529) 2.116,11.179 v1@1.466,10.529 ; v1@1.466,10.529 v1(1.366,10.529) v1(1.366,11.204) v1(2.141,11.204) 15.441,11.204 17.466,13.229 v1(25.966,13.229) ; v1@1.966,113.179 2.916,113.179 v1(2.966,113.229) v1@2.966,113.354 ; v1@1.966,113.179 1.966,113.204 v1(2.541,113.779) ; v1(2.541,113.779) v1@2.966,113.354 ; v1(2.541,113.779) v1(2.966,114.204) ; v1(2.541,113.779) 2.541,114.979 2.966,115.404 ; v1@2.966,113.354 v1(2.966,114.204) ; v1(2.966,114.204) 2.966,115.404 ; 2.966,115.404 6.216,118.654 12.941,118.654 13.466,119.179 15.491,119.179 16.191,118.479 22.141,118.479 23.541,117.079 38.216,117.079 38.941,117.804 ; v1(25.966,13.229) 25.966,13.829 v1(26.066,13.929) ; v1(26.066,13.929) v1(26.666,13.929) 26.666,13.329 v1(26.066,13.929) ; 38.941,117.804 38.941,118.429 ; 38.941,117.804 39.566,118.429 ; 38.941,118.429 38.941,119.054 ; 38.941,118.429 39.566,118.429 ; 38.941,119.054 39.466,119.054 ; 38.941,119.054 39.566,118.429 ; 39.466,119.054 40.091,118.429 ; 39.466,119.054 39.891,119.054 40.516,118.429 ; 39.566,118.429 40.091,118.429 ; 40.091,118.429 40.516,118.429
  Signal Layer 2 w1: CN11.18@5.786,81.279 CN8.9@10.866,81.279
  Signal Layer 2 w1.5: JP2.8@59.59,114.299 JP2.6@59.59,116.839 JP2.4@59.59,119.379 JP2.2@59.59,121.919
  Signal Layer 3 w0.4: 1.941,90.179 1.951,90.169 6.347,90.169 ; 2.286,80.009 3.807,80.009 ; 2.401,77.469 6.347,77.469 ; 2.685,87.629 7.416,87.629 7.441,87.654
  Signal Layer 3 w0.5: 2.286,80.009 1.946,80.009 1.366,79.429 1.366,77.454 ; 2.401,77.469 1.381,77.469 1.366,77.454 ; 2.685,87.629 2.366,87.629 1.941,88.054 1.941,90.179 v1(1.941,113.179) v1@1.991,113.229 ; v1@2.941,113.254 2.541,113.654 v1(2.541,113.779) ; 3.807,80.009 4.516,80.009 CN11.18@5.786,81.279 ; 6.347,77.469 6.731,77.469 7.391,78.129 7.391,79.674 CN11.18@5.786,81.279 ; 6.347,90.169 6.726,90.169 7.416,89.479 7.416,87.629 7.416,82.909 CN11.18@5.786,81.279 ; v1(1.366,11.204) v1(1.366,10.529) v1@1.466,10.529 ; v1(1.366,11.204) v1(2.141,11.204) 1.366,11.979 ; v1(1.366,11.204) 1.366,11.979 ; 1.366,11.979 1.366,77.454 ; v1@1.466,10.529 v1(2.116,10.529) 2.116,11.179 v1@1.466,10.529 ; v1@1.991,113.229 v1(2.541,113.779) ; v1@1.991,113.229 v1(2.966,113.229) v1(2.966,114.204) v1(2.541,113.779) ; v1(26.066,13.929) v1(26.666,13.929) v1@26.666,13.329 ; v1(26.066,13.929) 25.966,13.829 v1(25.966,13.229) v1(26.666,13.229) v1@26.666,13.329 ; v1(26.066,13.929) v1@26.666,13.329
  Signal Layer 3 w1.5: JP2.8@59.59,114.299 JP2.6@59.59,116.839 JP2.4@59.59,119.379 JP2.2@59.59,121.919
  Bottom Layer w0.5: v1(2.141,11.204) v1(1.366,11.204) v1(1.366,10.529) v1@1.491,10.529 ; v1(26.066,13.929) 25.966,13.829 v1(25.966,13.229) v1(26.666,13.229) v1@26.666,13.354 ; v1@1.491,10.529 v1(2.116,10.529) 2.116,11.154 v1@1.491,10.529 ; v1(2.541,113.779) 2.541,113.654 v1(2.966,113.229) ; v1(2.541,113.779) v1(1.941,113.179) 2.916,113.179 v1(2.966,113.229) ; v1(2.541,113.779) v1(2.966,114.204) v1(2.966,113.229) ; v1@26.666,13.354 v1(26.666,13.929) 26.091,13.929 v1@26.666,13.354
  Bottom Layer w1.5: JP2.8@59.59,114.299 JP2.6@59.59,116.839 JP2.4@59.59,119.379 JP2.2@59.59,121.919
5V_EXT: CN11.6 D2.1 JP2.5 | length 73.8
  Top Layer w0.8: v1(7.541,108.904) v1(8.741,108.904) 25.641,108.904 26.191,108.354 31.991,108.354 35.221,111.584 50.421,111.584 55.676,116.839 JP2.5@57.05,116.839
  Signal Layer 3 w0.8: CN11.6@5.786,96.519 7.541,98.274 7.541,107.704 ; 7.541,107.704 v1(7.541,108.904) v1(8.741,108.904) 7.541,107.704
  Bottom Layer w1: D2.1@52.57,117 52.72,116.85 53.245,116.85 53.256,116.839 JP2.5@57.05,116.839